# Altium PCB sommotor.PcbDoc (part 1 of 3)
Units mil, origin at the board's own origin, x right, y up, seen from the top; angles counter-clockwise.
Board outline 2543.31 x 4157.48 mil, 4 copper layers (Component Side, Ground Plane, Power Plane, Solder Side), stack 33.234 mil thick; 284 components, 240 nets, 1086 pads, 573 vias.
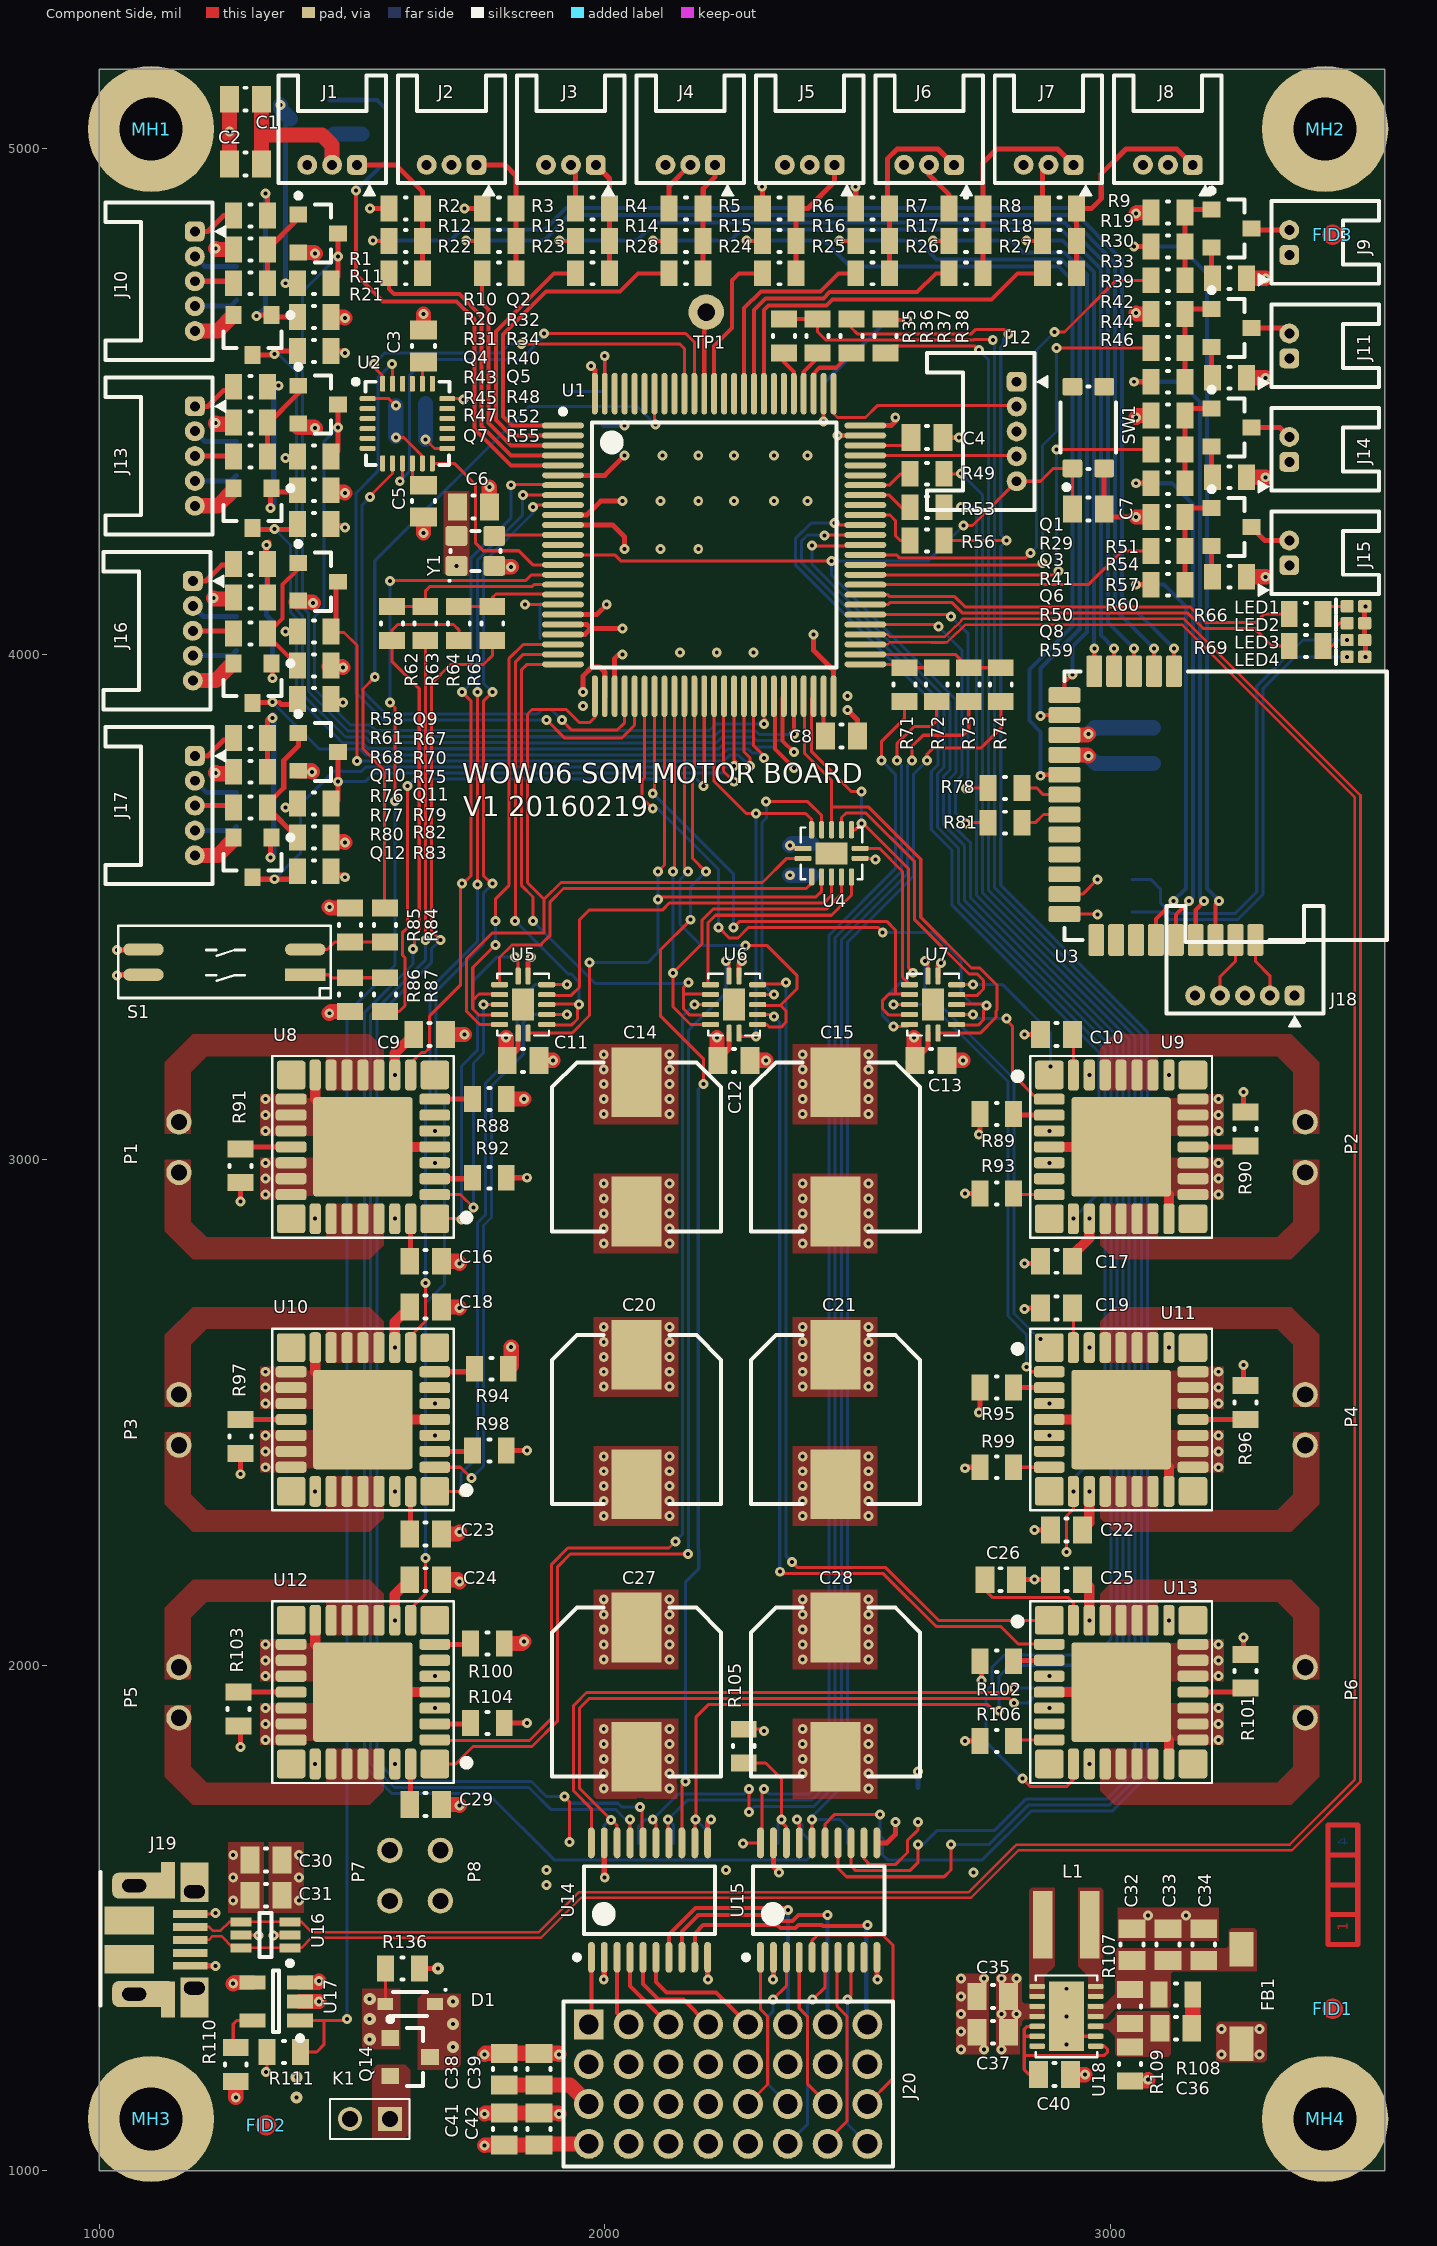
[diagram p0: Component Side view]
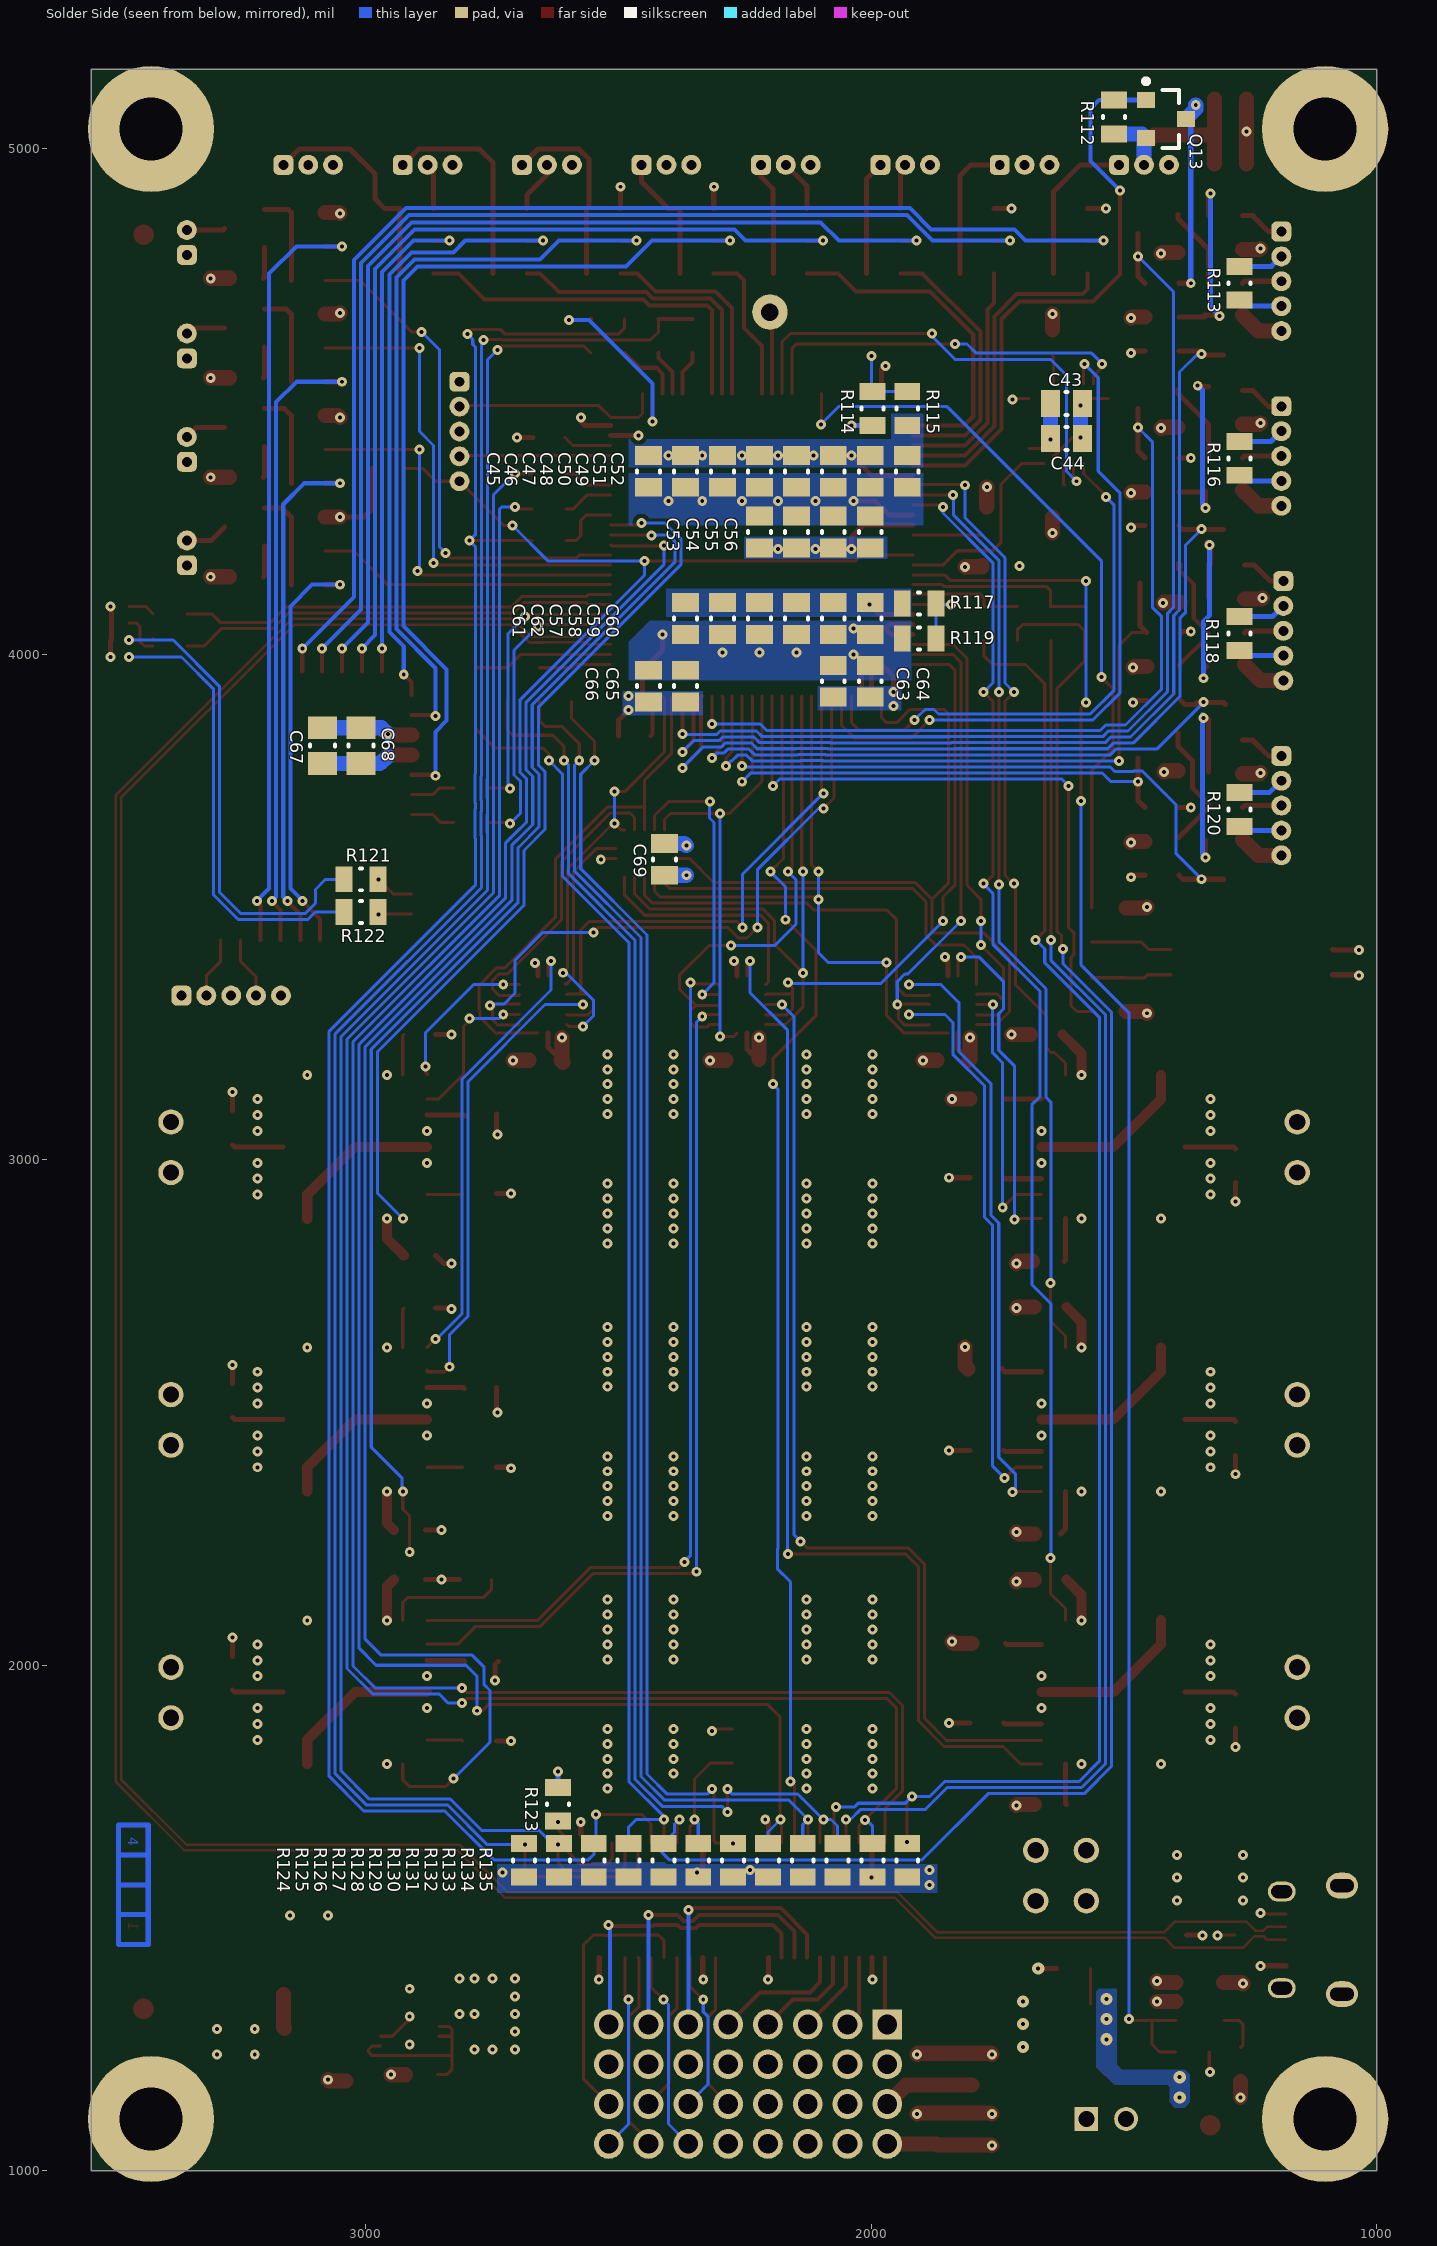
[diagram p1: Solder Side view, seen from below]
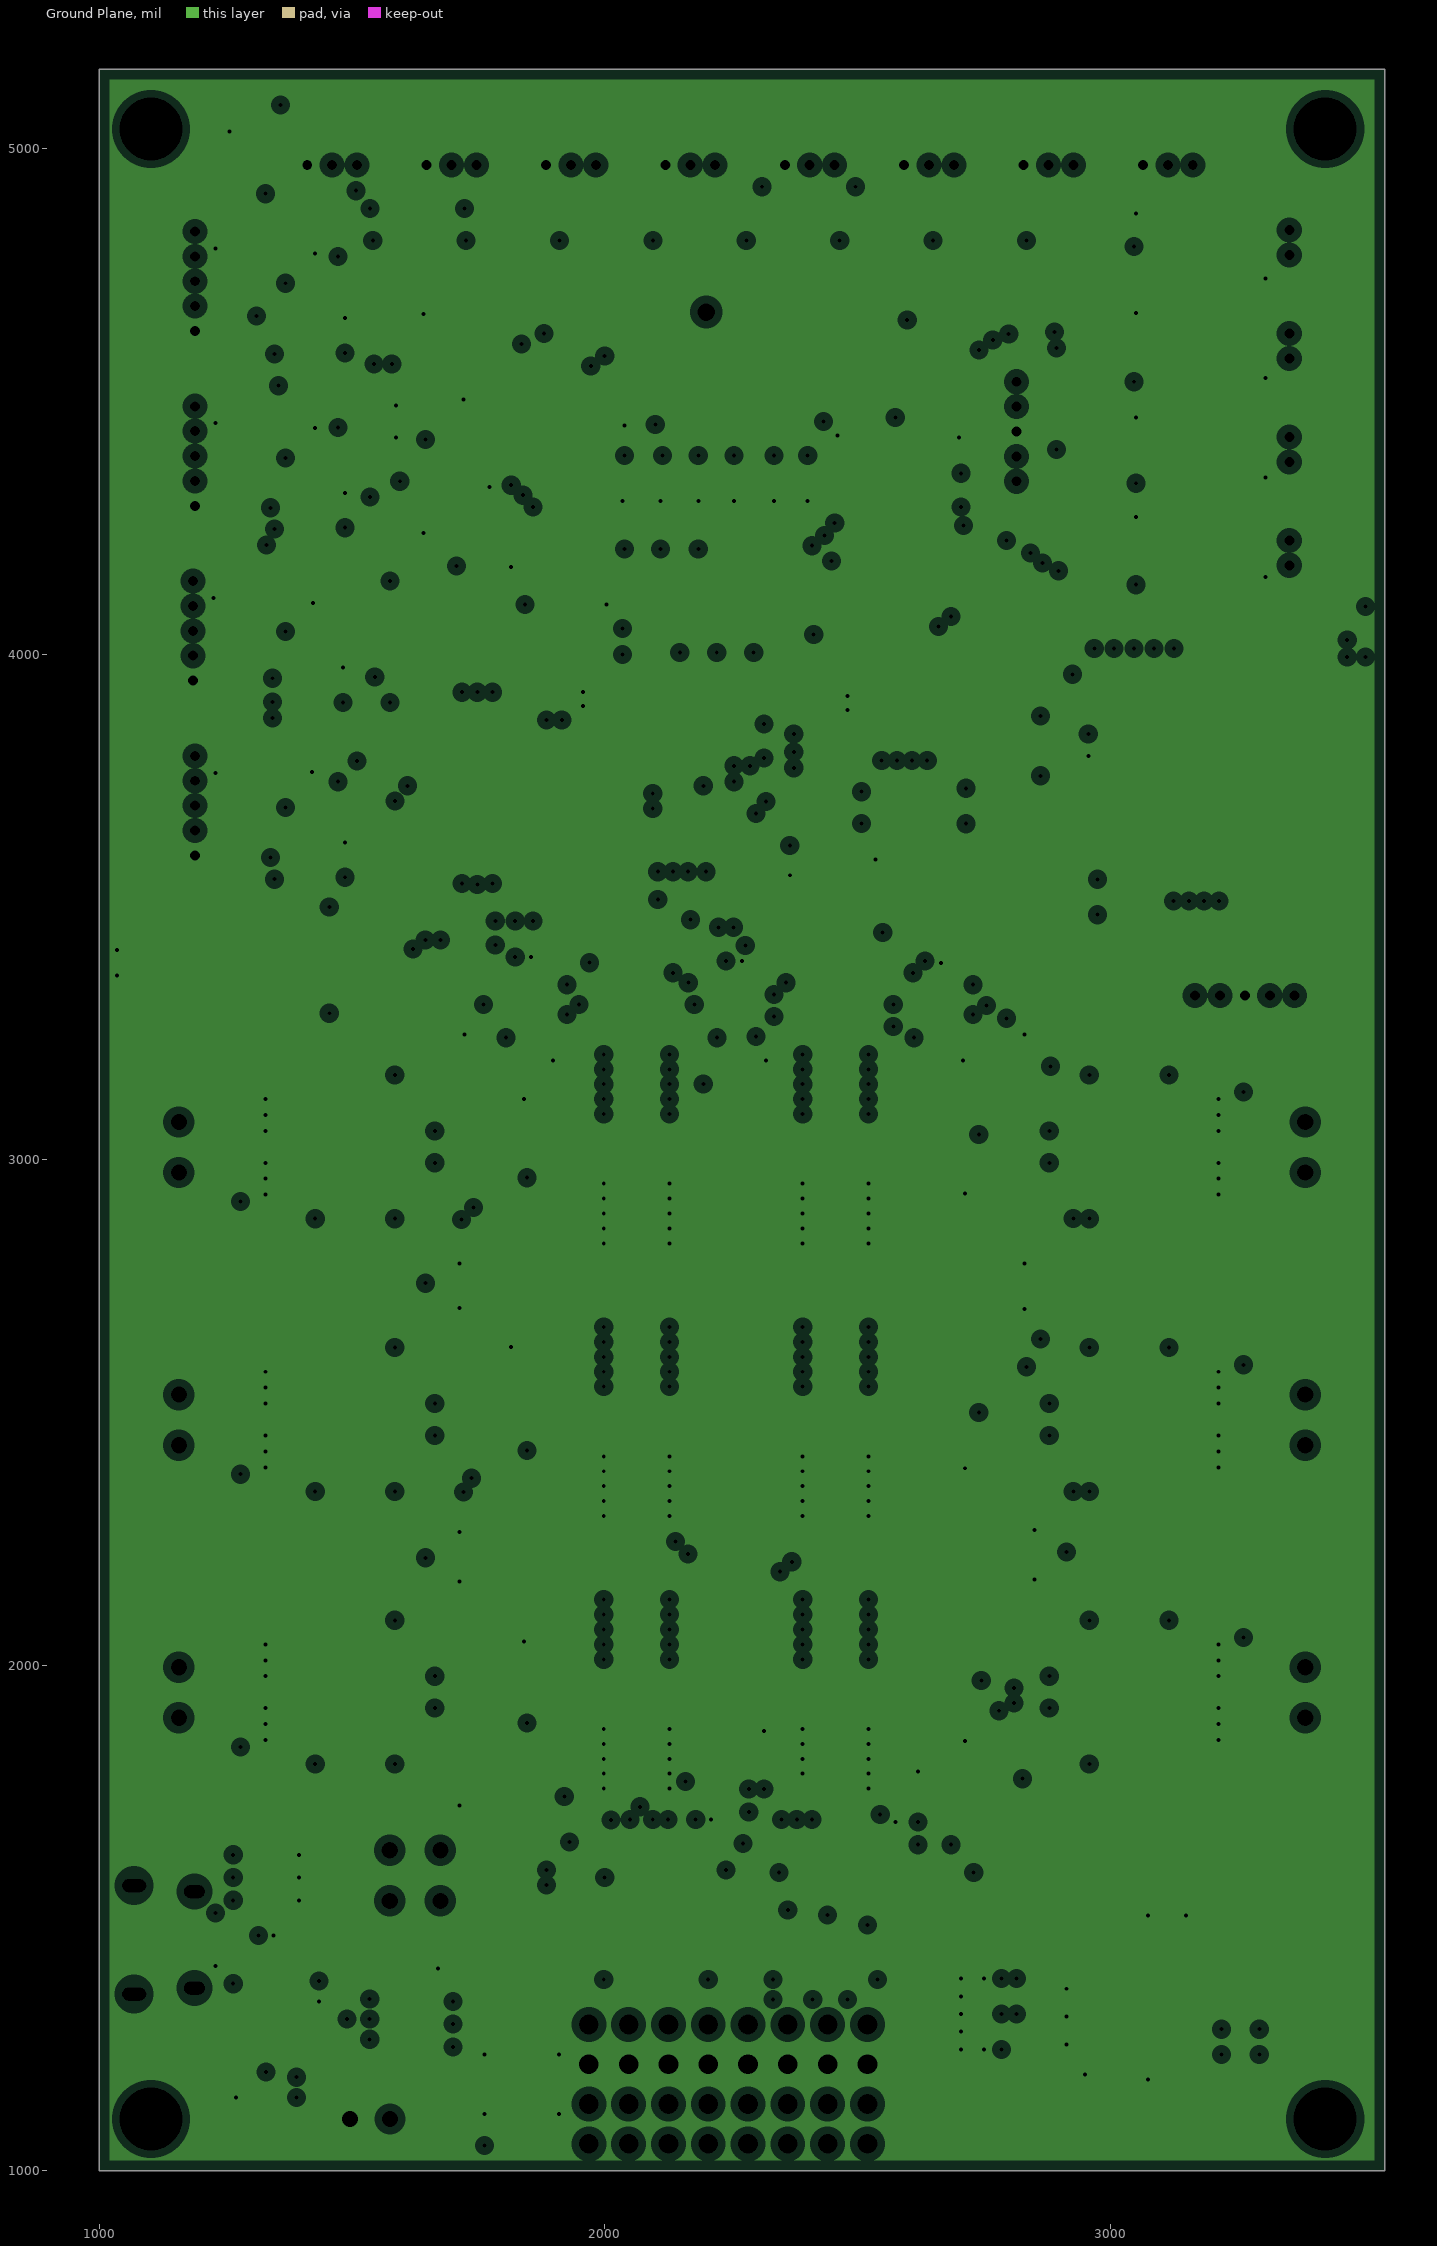
[diagram p2: Ground Plane, clearances drawn from the general rule]
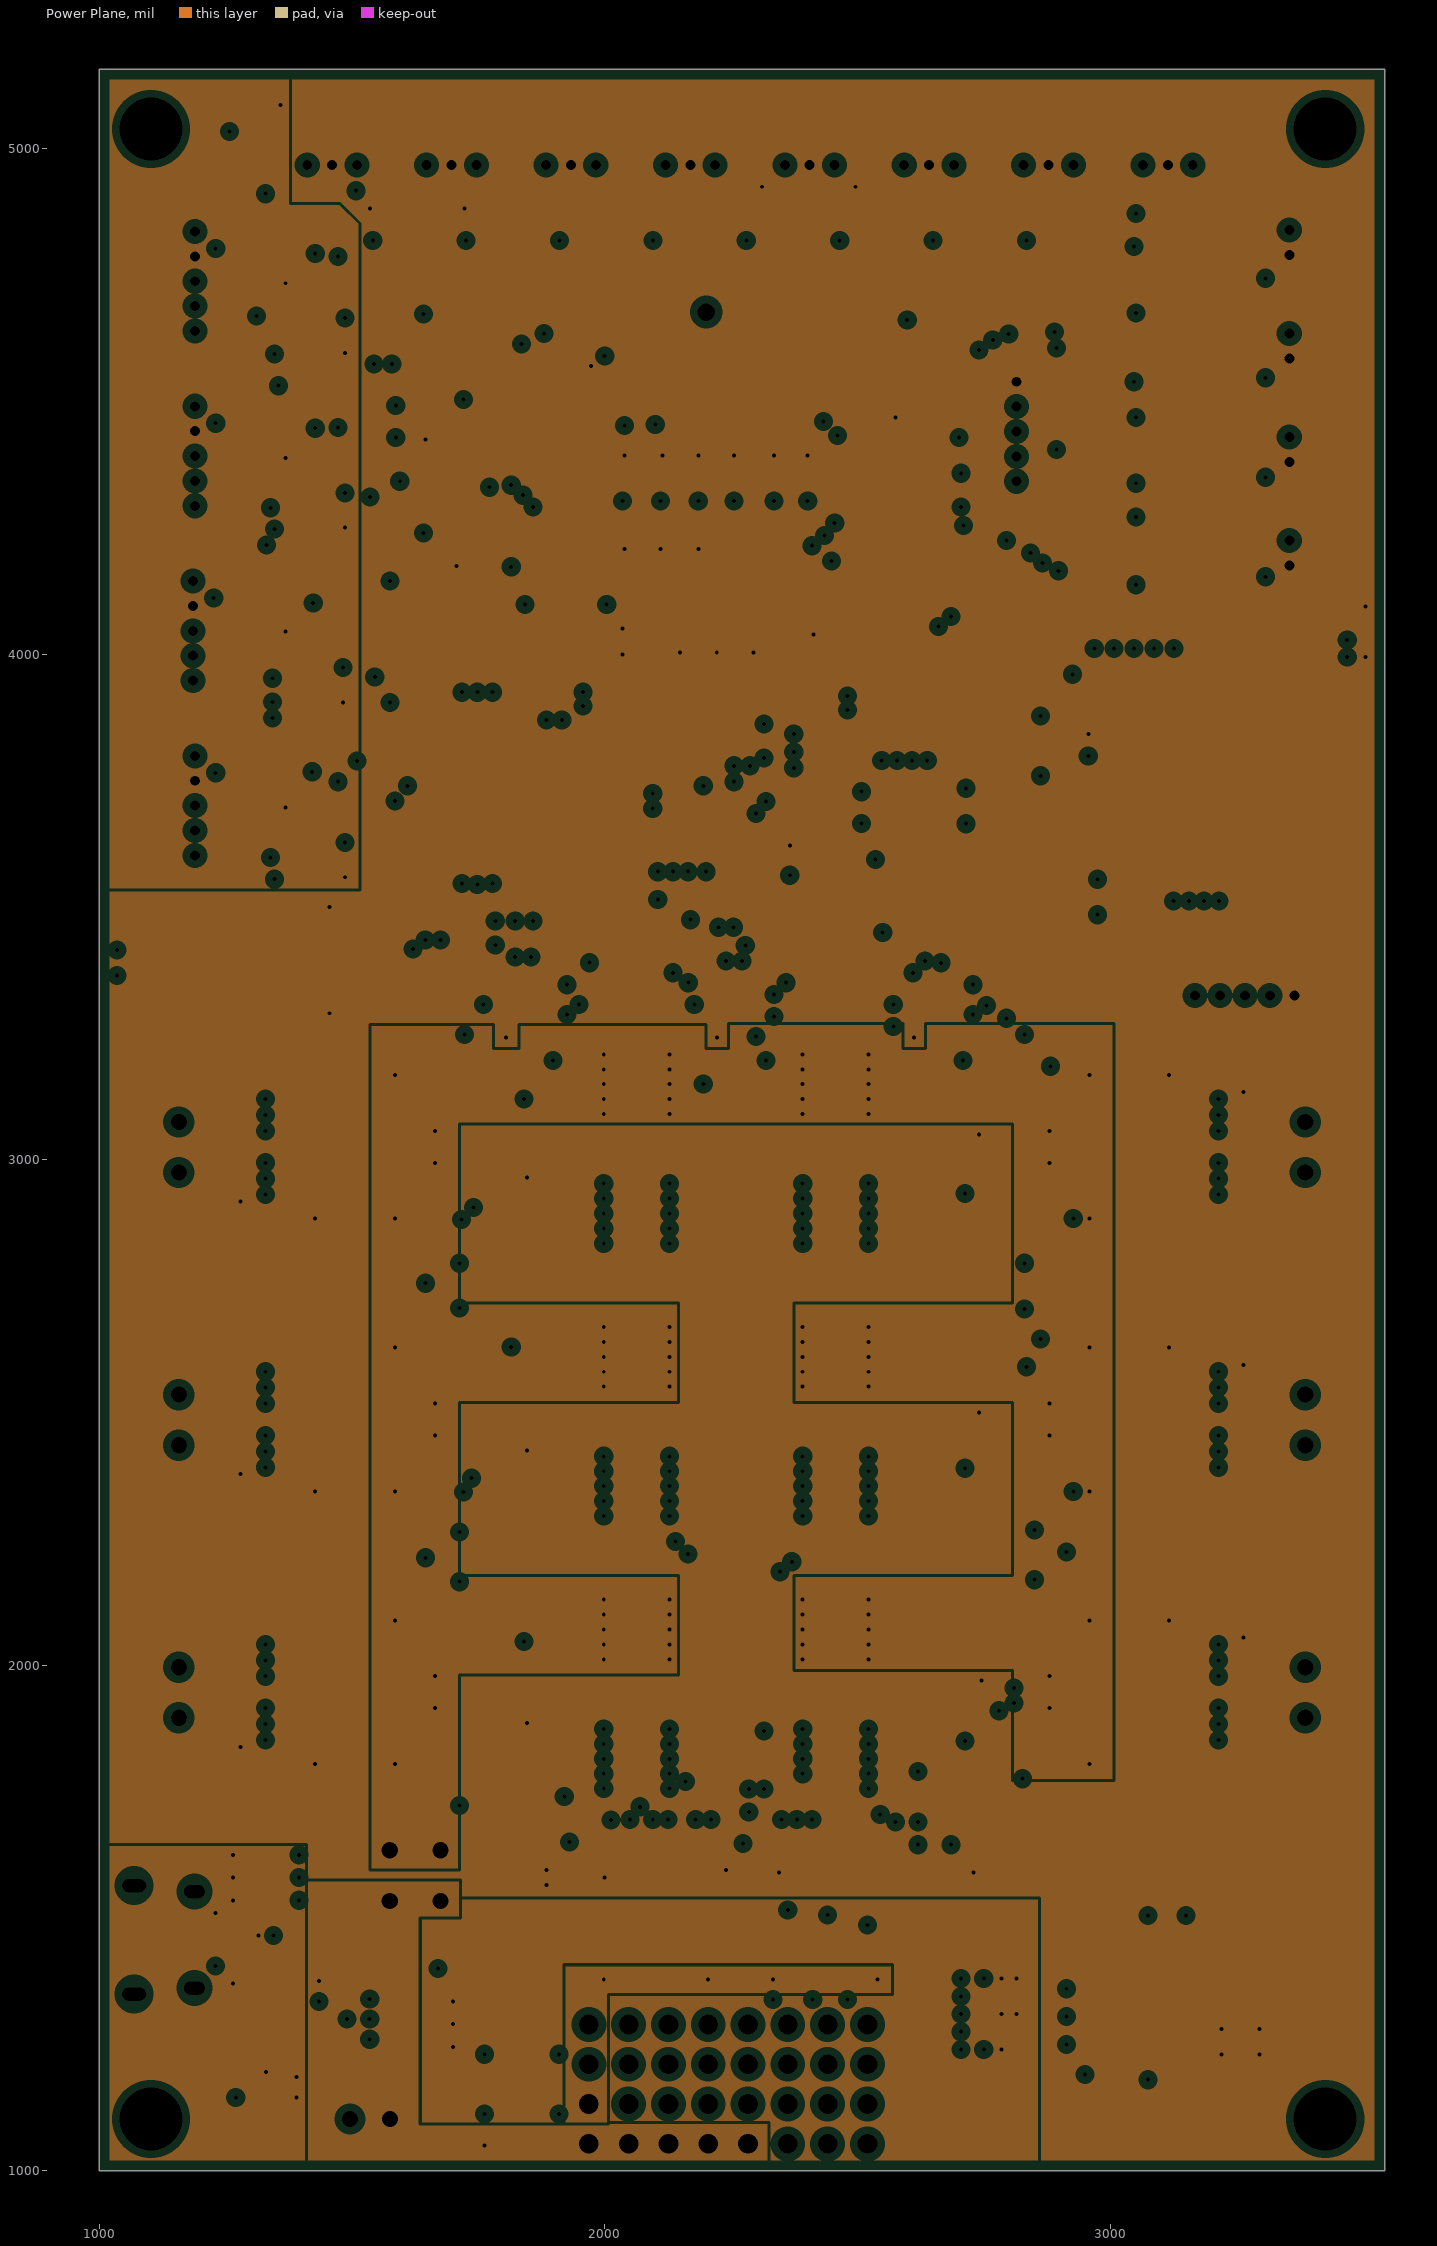
[diagram p3: Power Plane, clearances drawn from the general rule]

## Layer stack, top to bottom
Top Solder: solder mask 0.4, Solder Resist, Dk 3.5
Component Side: signal copper 1.4
Dielectric 1: core 12.6, FR-4, Dk 4.8
Ground Plane: plane copper 1.4169, net GND
Dielectric 3: prepreg 5, Dk 4.2
Power Plane: plane copper 1.4169, net (Multiple Nets)
Dielectric 4: core 10, Dk 4.2
Solder Side: signal copper 1.4
Bottom Solder: solder mask 0.4, Solder Resist, Dk 3.5

## Board outline
1000,1000 3543.31,1000 3543.31,5157.48 1000,5157.48

## Design rules (kind name [scope] priority, off if disabled: settings)
Clearance [All] p1: gap=6
DiffPairsRouting [All] p1: maxlimit=6 minlimit=5 mostfreqgap=6 toplayer_minwidth=5 toplayer_maxwidth=6 toplayer_prefwidth=6 bottomlayer_minwidth=5 bottomlayer_maxwidth=6 bottomlayer_prefwidth=6 maxuncoupledlength=500
MaxMinImpedance "Schematic Impedance Constraint_1" [InNet('STM32_USB_D_N')] p1: minimum=90.00 maximum=90.00
MaxMinImpedance "Schematic Impedance Constraint" [InNet('STM32_USB_D_P')] p2: minimum=90.00 maximum=90.00
PlaneClearance [All] p1: clearance=15
PlaneConnect PlaneConnect_Direct [InNetClass('POWER') or InNet('GND') or InNet('VBATT') or InNet('VBUS') OR InNet('VMTR') OR InNet('+3V3') OR InNet('NetL1_1') OR InNet('NetL1_2') OR InNet('NetC68_1') OR InNet('NetC65_2') OR InNet('NetC35_2')] p1: planeconnectstyle=Direct reliefexpansion=20 reliefentries=4 reliefconductorwidth=10 reliefairgap=10
PlaneConnect [All] p2: planeconnectstyle=Relief reliefexpansion=20 reliefentries=4 reliefconductorwidth=10 reliefairgap=10
PolygonConnect PowerPoly [InNetClass('POWER') or InNet('GND') or InNet('VBATT') or InNet('VBUS') OR InNet('+3V3') OR InNet('NetL1_1') OR InNet('NetL1_2') OR InNet('NetC68_1') OR InNet('NetC65_2') OR InNet('NetC35_2')] p1: connectstyle=Direct reliefconductorwidth=10 reliefentries=4 polygonreliefangle="90 Angle" airgapwidth=10
PolygonConnect [All] p2: connectstyle=Relief reliefconductorwidth=10 reliefentries=4 polygonreliefangle="90 Angle" airgapwidth=10
RoutingVias [All] p1: holewidth=10 width=30 viastyle="Through Hole" minholewidth=8 minwidth=24 maxholewidth=10 maxwidth=30
SolderMaskExpansion [All] p1: expansion=4
Width [All] p1: maxlimit=30 minlimit=6 preferedwidth=6
27 further rules are at their usual default settings.

## Classes and differential pairs
net class POWER: M1+ M1- M2+ M2- M3+ M3- M4+ M4- M5+ M5- M6+ M6- VBATT VMTR
component class "2 - BLE": C1 C2 C67 C68 J1 J2 J3 J4 J5 J6 J7 J8 J9 J11 J14 J15 J18 LED3 LED4 Q1 Q3 Q6 Q8 R1 R2 R3 R4 R5 R6 R7 R8 R9 R11 R12 R13 R14 R15 R16 R17 R18 R19 R21 R22 R23 R24 R25 R26 R27 R28 R29 R30 R33 R39 R41 R42 R44 R46 R50 R51 R54 R57 R59 R60 R78 R81 R121 R122 U3
component class "3 - Motor Drivers": C9 C10 C14 C15 C16 C17 C18 C19 C20 C21 C22 C23 C24 C25 C26 C27 C28 C29 J10 J13 J14 J16 J17 P1 P2 P3 P4 P5 P6 P7 P8 Q2 Q4 Q5 Q7 Q9 Q10 Q11 Q12 Q13 R10 R20 R31 R32 R34 R40 R43 R45 R47 R48 R52 R55 R58 R61 R67 R68 R70 R75 R76 R77 R79 R80 R82 R83 R88 R89 R90 R91 R92 R93 R94 R95 R96 R97 R98 R99 R100 R101 R102 R103 R104 R106 R112 R113 R116 R118 R120 U8 U9 U10 U11 U12 U13
component class "4 - Connectors": C30 C31 C32 C33 C34 C35 C36 C37 C38 C39 C40 C41 C42 D1 FB1 J20 K1 L1 Q14 R107 R108 R109 R110 R111 R123 R124 R125 R126 R127 R128 R129 R130 R131 R132 R133 R134 R135 R136 U14 U15 U17 U18
component class "1 - STM32": C3 C4 C5 C6 C7 C8 C43 C44 C45 C46 C47 C48 C49 C50 C51 C52 C53 C54 C55 C56 C57 C58 C59 C60 C61 C62 C63 C64 C65 C66 FID1 FID2 FID3 J12 J19 LED1 LED2 MH1 MH2 MH3 MH4 R35 R36 R37 R38 R49 R53 R56 R62 R63 R64 R65 R66 R69 R71 R72 R73 R74 R84 R85 R86 R87 R105 R114 R115 R117 R119 S1 SW1 TP1 U1 U2 U16 Y1
component class "5 - PWM Steering": C11 C12 C13 C69 U4 U5 U6 U7
differential pair STM32_USB_D: +STM32_USB_D_P -STM32_USB_D_N

## Components (designator, comment, footprint, x,y, rotation, side; value= is the part's Value field where it differs from the comment)
C1 "CAP 1uF 6.3V 0805(2012)" CAPC0805(2012)100_L 1289.37,5098.43 r180 top (schematic designator C35)
C2 "CAP 100nF 6.3V 0805(2012)" CAPC0805(2012)100_L 1289.37,4970.47 r180 top (schematic designator C36)
C3 "" CAPC0805(2012)100_L 1641.73,4610.24 r90 top
C4 "CAP 2.2uF 6.3V 0805(2012)" CAPC0805(2012)100_L 2637.8,4429.13 r180 top (schematic designator C9)
C5 "CAP 100nF 6.3V 0805(2012)" CAPC0805(2012)100_L 1641.73,4303.15 r270 top (schematic designator C2)
C6 "CAP 100nF 6.3V 0805(2012)" CAPC0805(2012)100_L 1740.16,4291.34 r0 top (schematic designator C4)
C7 "CAP 100nF 6.3V 0805(2012)" CAPC0805(2012)100_L 2956.69,4287.4 r0 top (schematic designator C8)
C8 "CAP 2.2uF 6.3V 0805(2012)" CAPC0805(2012)100_L 2468.5,3838.58 r180 top (schematic designator C10)
C9 "CAP 100nF 6.3V 0805(2012)" CAPC0805(2012)100_L 1653.54,3248.03 r180 top (schematic designator C49)
C10 "CAP 33nF 50V 0805(2012)" CAPC0805(2012)100_L 2893.7,3248.03 r0 top (schematic designator C38)
C11 "CAP 100nF 6.3V 0805(2012)" CAPC0805(2012)100_L 1838.58,3196.85 r180 top (schematic designator C5)
C12 "CAP 100nF 6.3V 0805(2012)" CAPC0805(2012)100_L 2255.91,3196.85 r180 top (schematic designator C59)
C13 "CAP 100nF 6.3V 0805(2012)" CAPC0805(2012)100_L 2645.67,3196.85 r180 top (schematic designator C60)
C14 "UUD1A471MNL1GS" NIC-CAPA2-8X10_V 2062.99,3025.59 r270 top (schematic designator C43)
C15 "UUD1A471MNL1GS" NIC-CAPA2-8X10_V 2456.69,3025.59 r270 top (schematic designator C46)
C16 "CAP 33nF 50V 0805(2012)" CAPC0805(2012)100_L 1645.67,2799.21 r180 top (schematic designator C37)
C17 "CAP 100nF 6.3V 0805(2012)" CAPC0805(2012)100_L 2893.7,2799.21 r0 top (schematic designator C54)
C18 "CAP 100nF 6.3V 0805(2012)" CAPC0805(2012)100_L 1645.67,2708.66 r180 top (schematic designator C50)
C19 "CAP 33nF 50V 0805(2012)" CAPC0805(2012)100_L 2893.7,2706.69 r0 top (schematic designator C40)
C20 "UUD1A471MNL1GS" NIC-CAPA2-8X10_V 2062.99,2486.22 r270 top (schematic designator C44)
C21 "UUD1A471MNL1GS" NIC-CAPA2-8X10_V 2456.69,2486.22 r270 top (schematic designator C47)
C22 "CAP 100nF 6.3V 0805(2012)" CAPC0805(2012)100_L 2913.39,2267.72 r0 top (schematic designator C53)
C23 "CAP 33nF 50V 0805(2012)" CAPC0805(2012)100_L 1645.67,2259.84 r180 top (schematic designator C39)
C24 "CAP 100nF 6.3V 0805(2012)" CAPC0805(2012)100_L 1645.67,2169.29 r180 top (schematic designator C51)
C25 "CAP 100nF 6.3V 0805(2012)" CAPC0805(2012)100_L 2913.39,2169.29 r0 top (schematic designator C52)
C26 "CAP 33nF 50V 0805(2012)" CAPC0805(2012)100_L 2783.46,2169.29 r180 top (schematic designator C42)
C27 "UUD1A471MNL1GS" NIC-CAPA2-8X10_V 2062.99,1946.85 r270 top (schematic designator C45)
C28 "UUD1A471MNL1GS" NIC-CAPA2-8X10_V 2456.69,1946.85 r270 top (schematic designator C48)
C29 "CAP 33nF 50V 0805(2012)" CAPC0805(2012)100_L 1645.67,1724.41 r180 top (schematic designator C41)
C30 "CAP 10uF 6.3V 0805(2012)" CAPC0805(2012)100_L 1330,1615 r180 top (schematic designator C63)
C31 "CAP 100nF 6.3V 0805(2012)" CAPC0805(2012)100_L 1330,1545 r0 top (schematic designator C64)
C32 "CAP 22uF 16V 0805(2012)" CAPC0805(2012)145_L 3043.3,1447.13 r270 top (schematic designator C65)
C33 "CAP 22uF 16V 0805(2012)" CAPC0805(2012)145_L 3114.17,1447.13 r270 top (schematic designator C66)
C34 "CAP 100nF 25V 0805(2012)" CAPC0805(2012)100_L 3185.04,1447.13 r270 top (schematic designator C67)
C35 "CAP 10uF 6.3V 0805(2012)" CAPC0805(2012)100_L 2767.72,1344.76 r0 top (schematic designator C61)
C36 "CAP 4.7pF 10V 0805(2012)" CAPC0805(2012)100_L 3129.92,1281.77 r0 top (schematic designator C68)
C37 "CAP 10uF 6.3V 0805(2012)" CAPC0805(2012)100_L 2767.72,1273.9 r0 top (schematic designator C62)
C38 "CAP 100nF 6.3V 0805(2012)" CAPC0805(2012)100_L 1801.18,1200.79 r270 top (schematic designator C58)
C39 "CAP 1uF 6.3V 0805(2012)" CAPC0805(2012)100_L 1870.08,1200.79 r270 top (schematic designator C57)
C40 "CAP 100nF 6.3V 0805(2012)" CAPC0805(2012)100_L 2890,1190 r0 top (schematic designator C69)
C41 "CAP 100nF 6.3V 0805(2012)" CAPC0805(2012)100_L 1801.18,1082.68 r270 top (schematic designator C56)
C42 "CAP 1uF 6.3V 0805(2012)" CAPC0805(2012)100_L 1870.08,1082.68 r270 top (schematic designator C55)
C43 "CAP 1uF 6.3V 0805(2012)" CAPC0805(2012)100_L 1614.17,4496.06 r180 bottom (schematic designator C7)
C44 "CAP 100nF 6.3V 0805(2012)" CAPC0805(2012)100_L 1614.17,4427.17 r180 bottom (schematic designator C6)
C45 "CAP 100nF 6.3V 0805(2012)" CAPC0805(2012)100_L 2440.94,4362.2 r270 bottom (schematic designator C25)
C46 "CAP 1uF 6.3V 0805(2012)" CAPC0805(2012)100_L 2367.83,4362.2 r90 bottom (schematic designator C17)
C47 "CAP 4.7uF 6.3V 0805(2012)" CAPC0805(2012)100_L 2294.71,4362.2 r90 bottom (schematic designator C24)
C48 "CAP 1uF 6.3V 0805(2012)" CAPC0805(2012)100_L 2221.6,4362.2 r90 bottom (schematic designator C20)
C49 "CAP 1uF 6.3V 0805(2012)" CAPC0805(2012)100_L 2075.37,4362.2 r90 bottom (schematic designator C18)
C50 "CAP 100nF 6.3V 0805(2012)" CAPC0805(2012)100_L 2148.48,4362.2 r270 bottom (schematic designator C28)
C51 "CAP 100nF 6.3V 0805(2012)" CAPC0805(2012)100_L 2002.25,4362.2 r270 bottom (schematic designator C27)
C52 "CAP 100nF 6.3V 0805(2012)" CAPC0805(2012)100_L 1929.13,4362.2 r270 bottom (schematic designator C11)
C53 "CAP 1uF 6.3V 0805(2012)" CAPC0805(2012)100_L 2221.6,4242.13 r90 bottom (schematic designator C12)